# Altium PCB PCB1.PcbDoc (part 1 of 2)
Units mil, origin at the board's own origin, x right, y up, seen from the top; angles counter-clockwise.
Board outline 1968.5 x 1968.5 mil, 4 copper layers (TOP-SIG, GND1, GND2, BOT-SIG), stack 62.449 mil thick; 202 components, 93 nets, 497 pads, 230 vias.
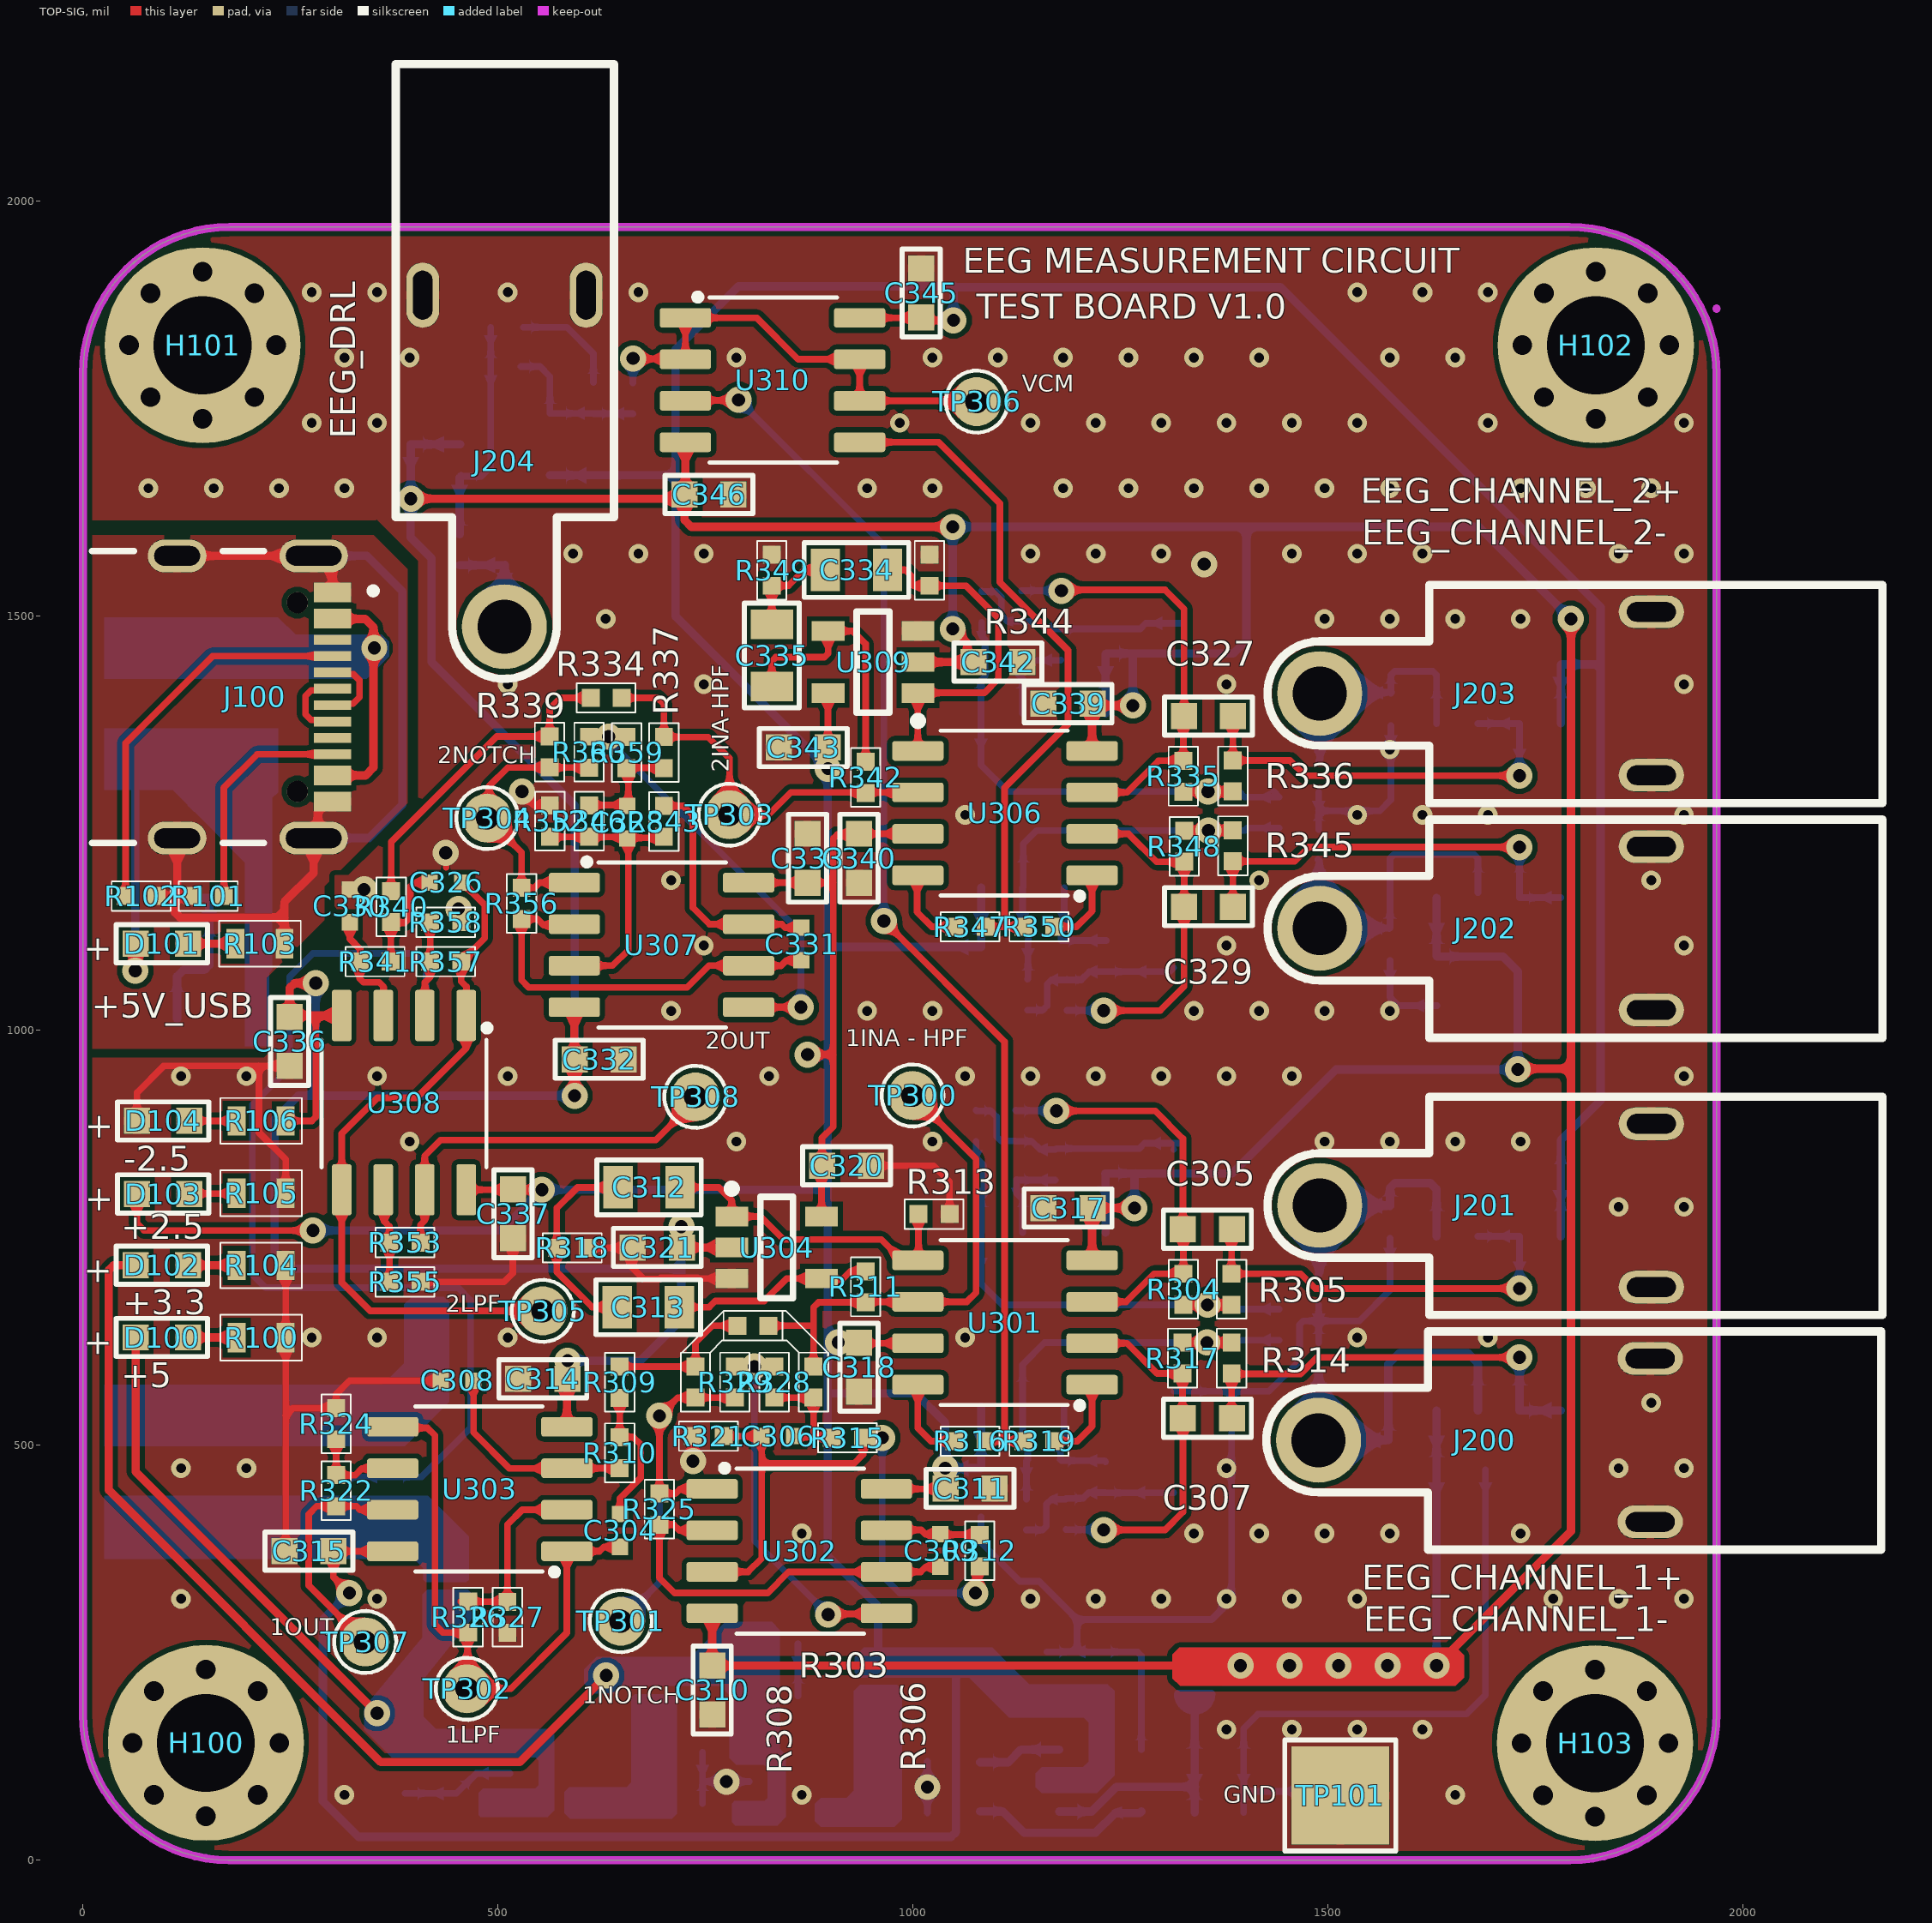
[diagram p0: TOP-SIG view]
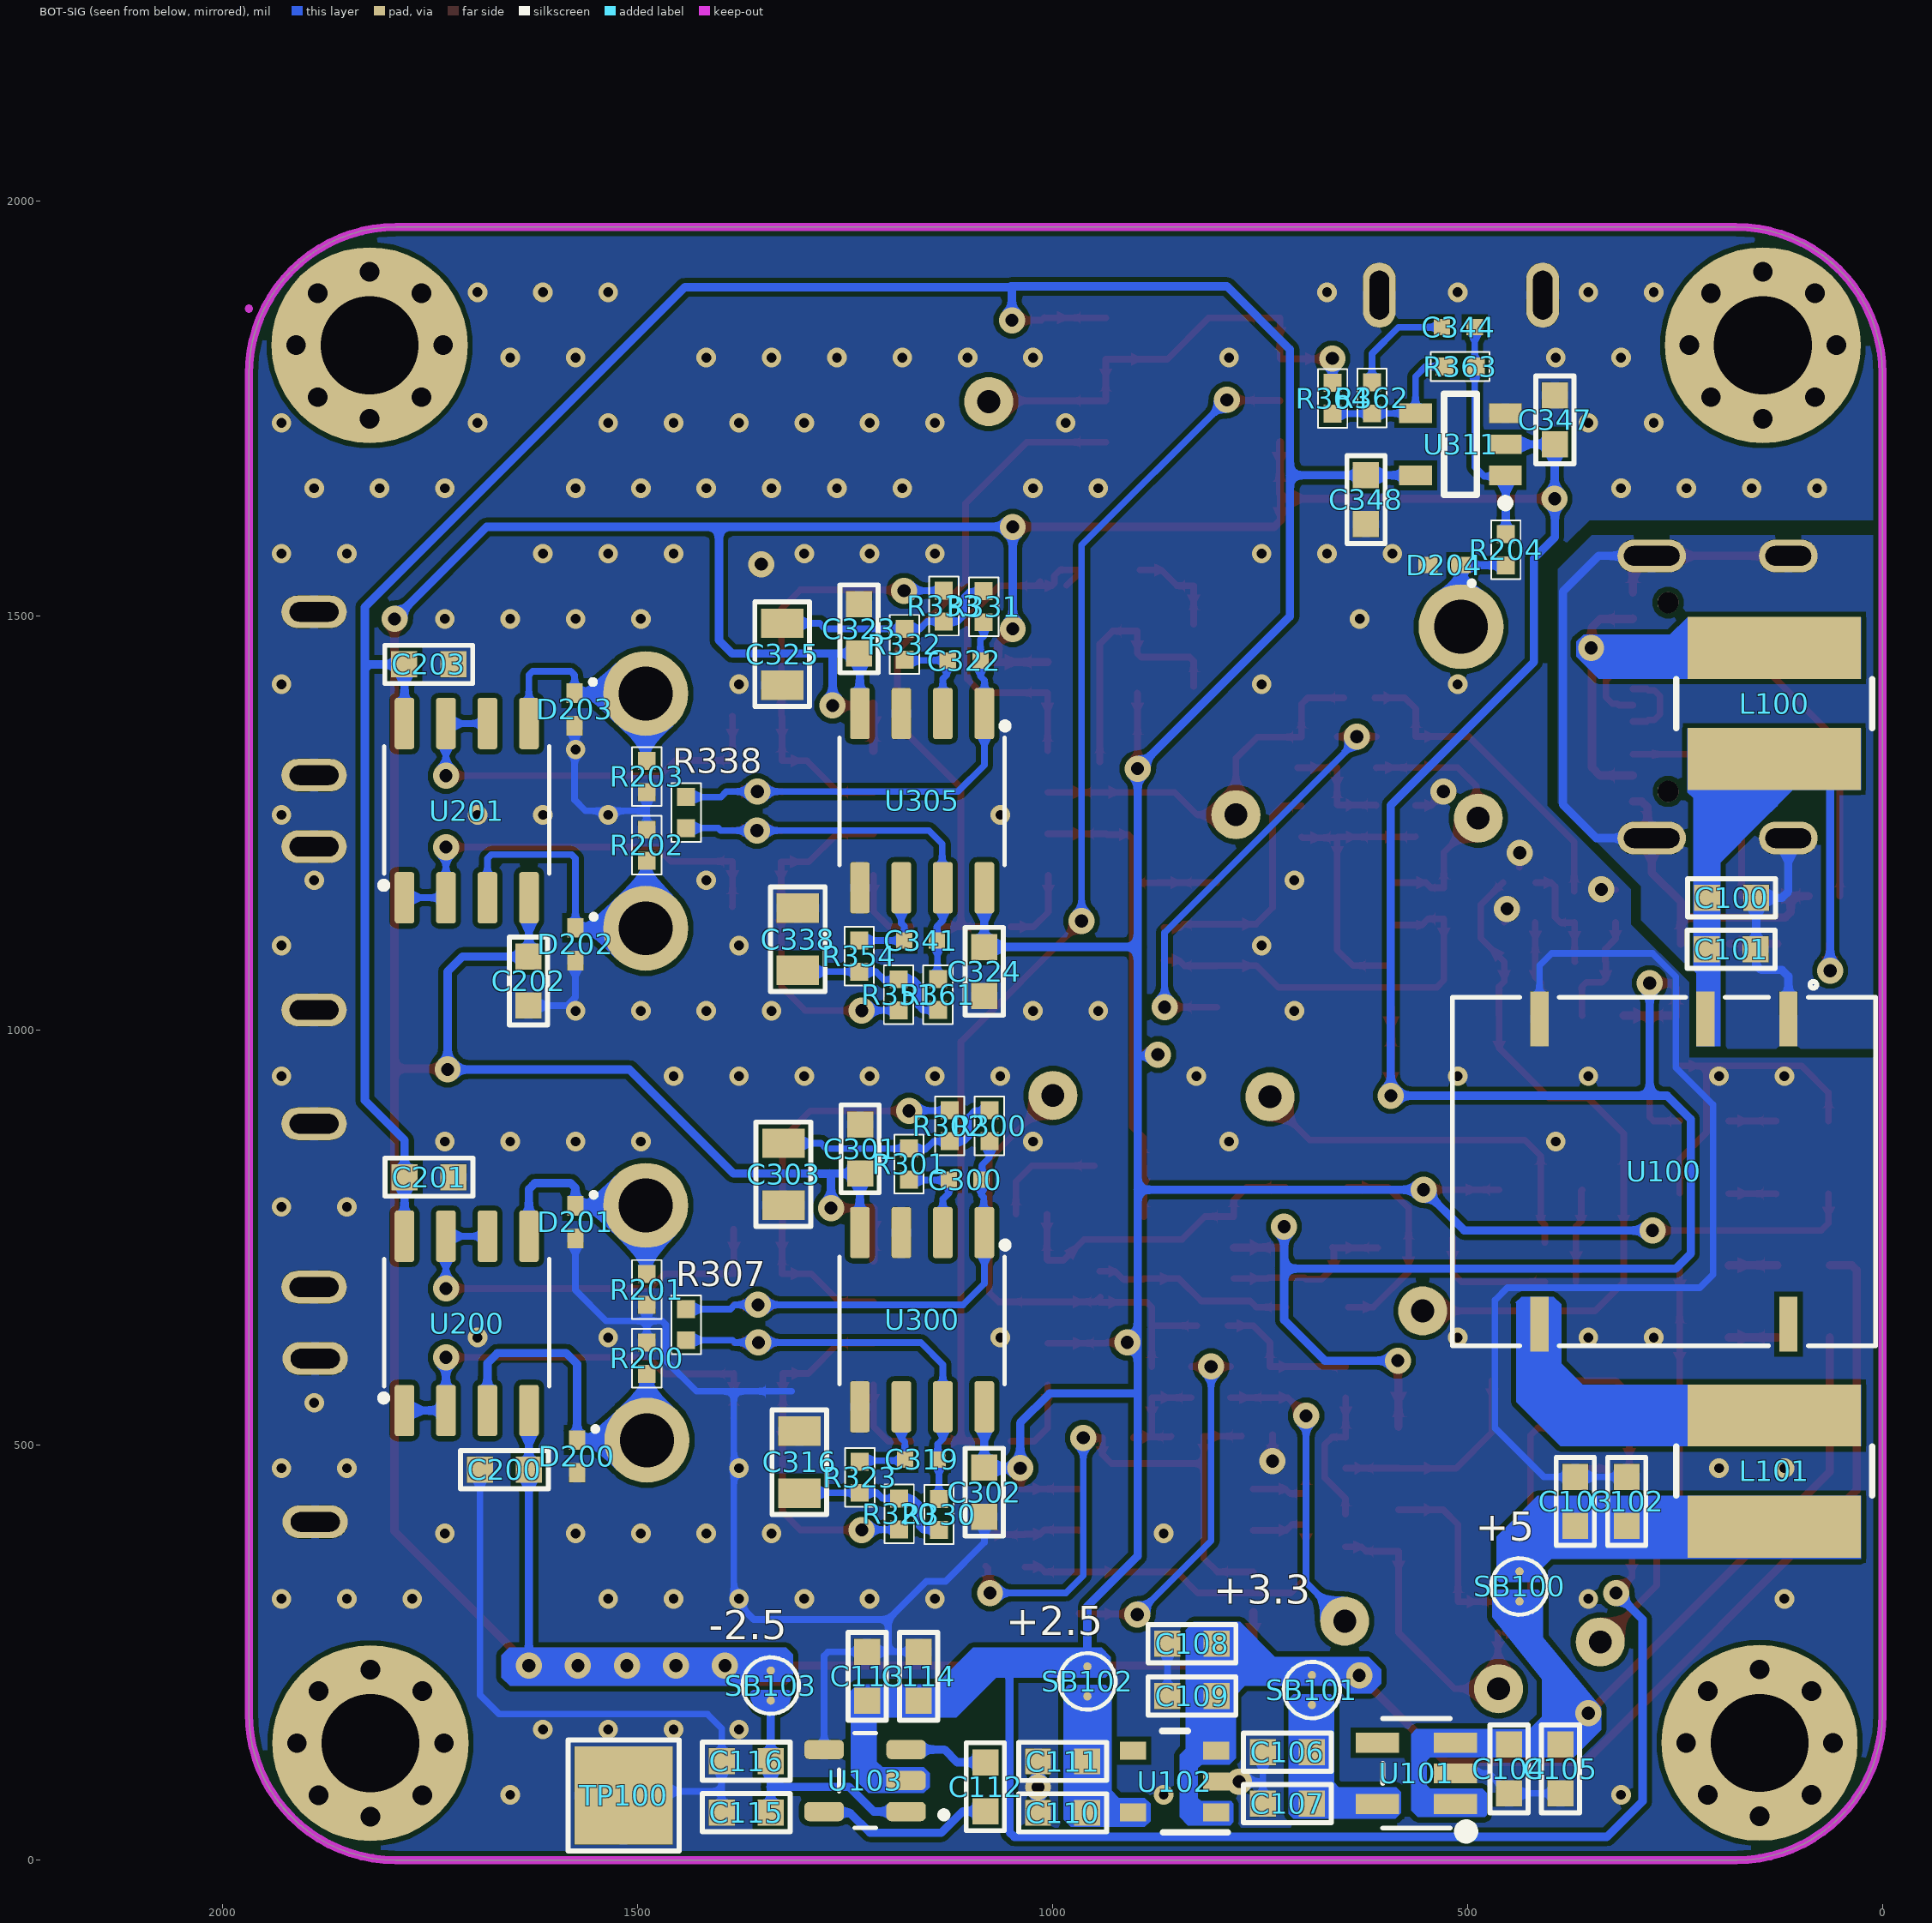
[diagram p1: BOT-SIG view, seen from below]
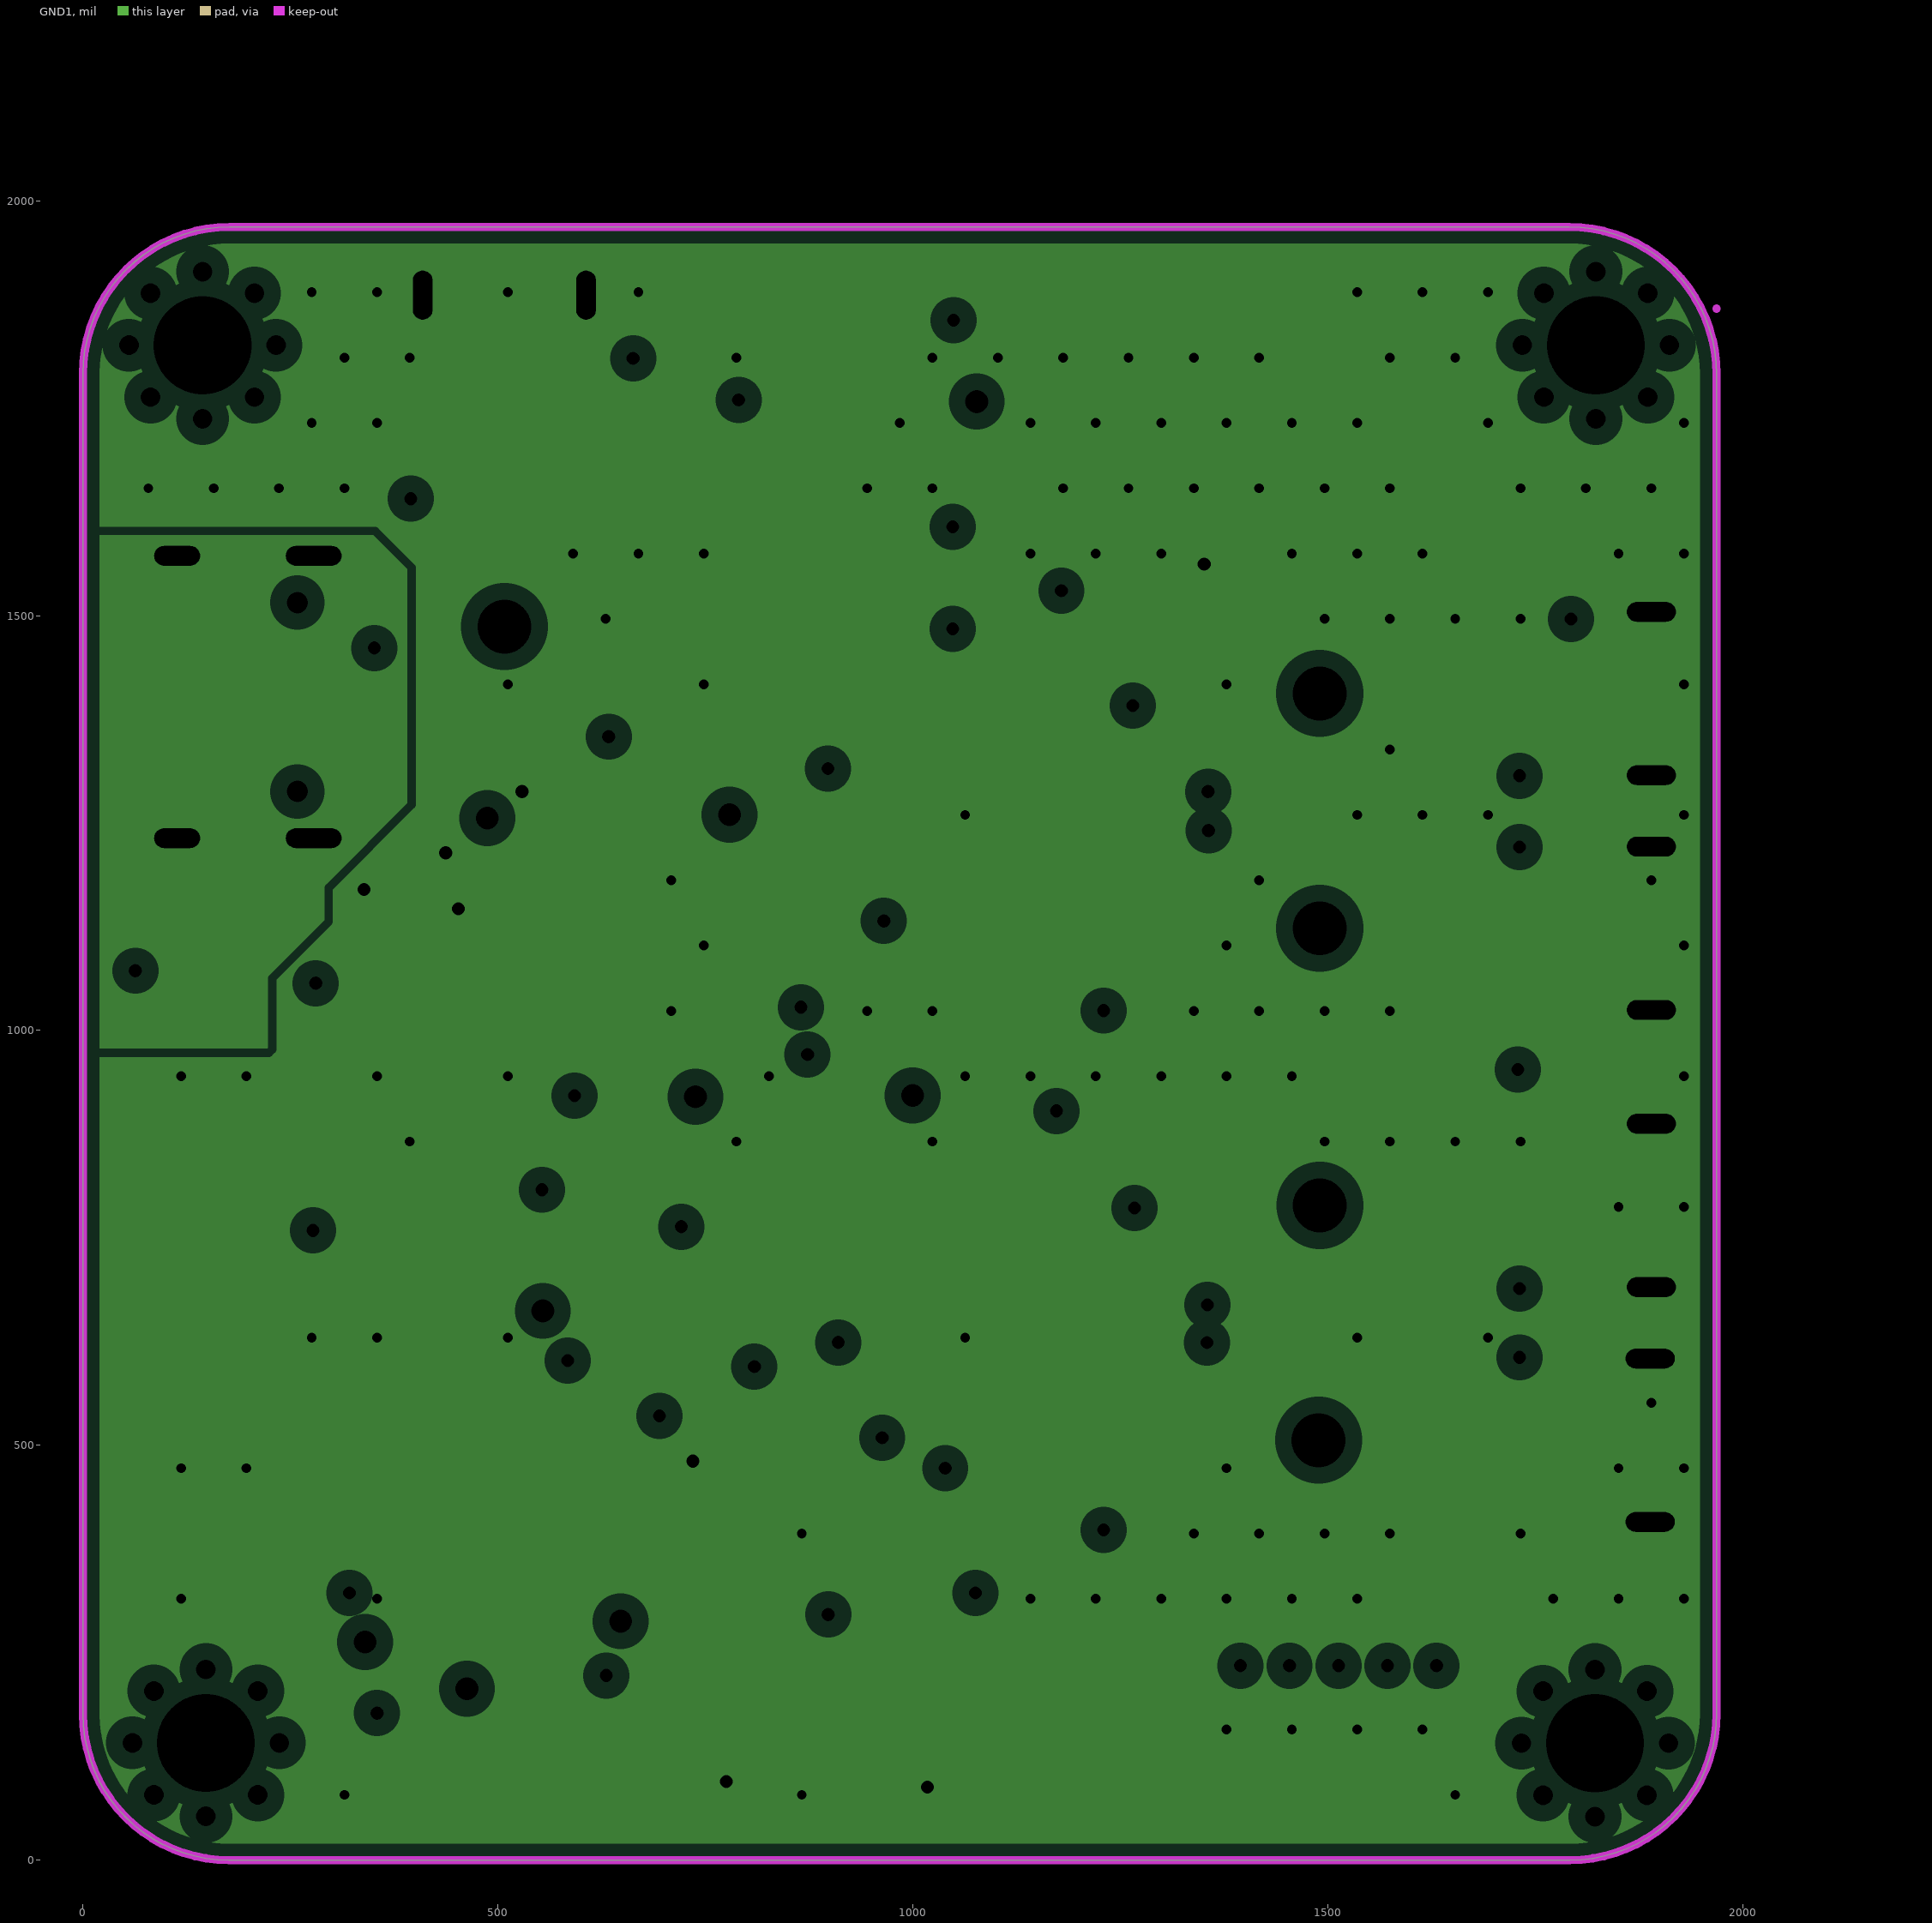
[diagram p2: GND1, clearances drawn from the general rule]
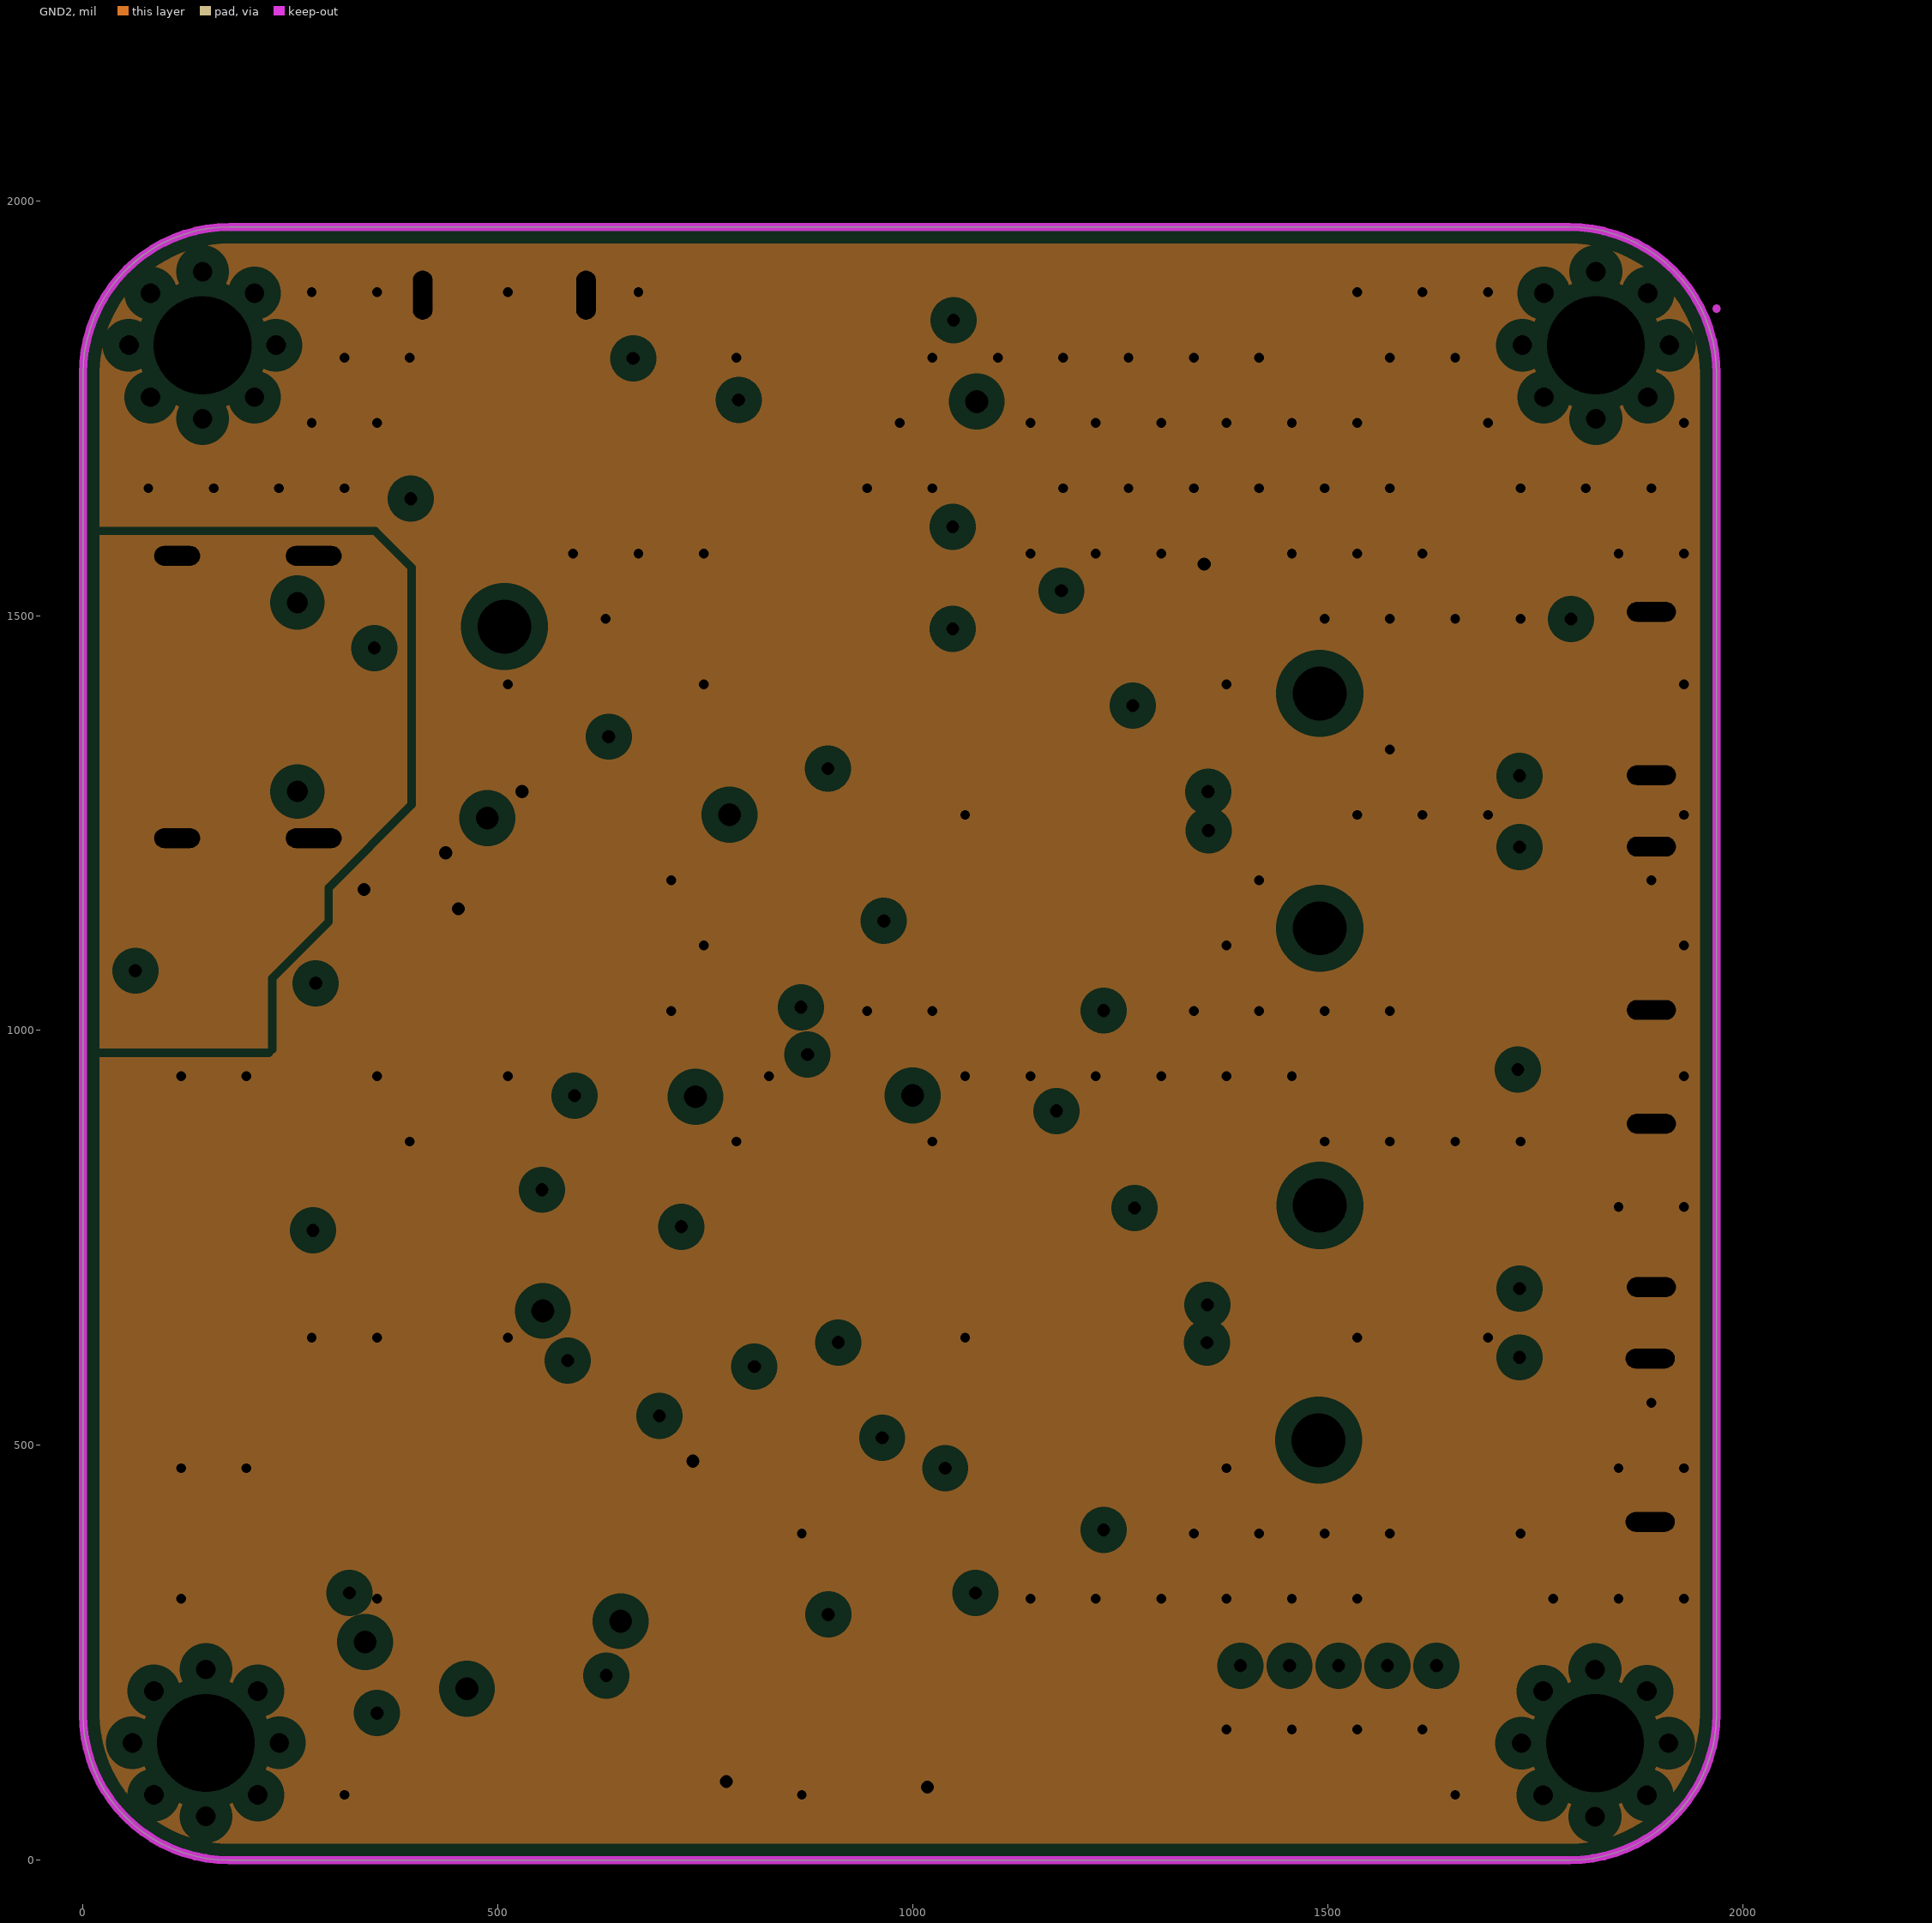
[diagram p3: GND2, clearances drawn from the general rule]
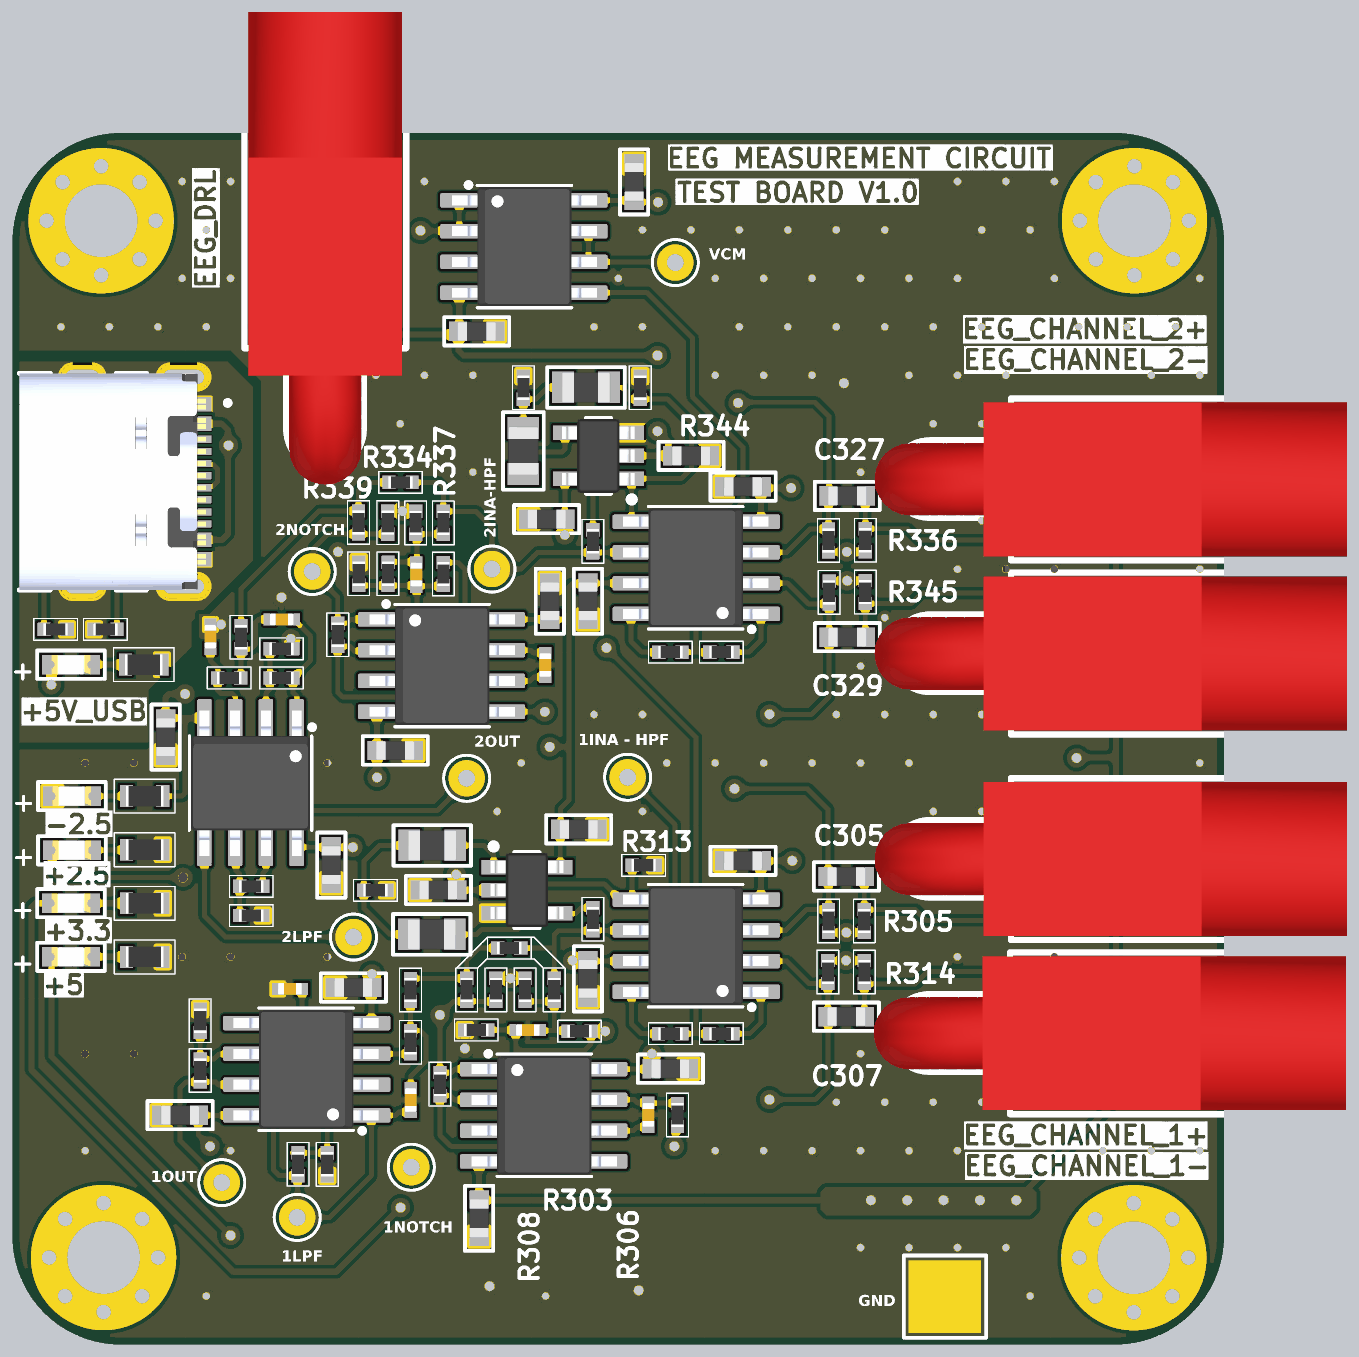
[diagram p5: 3D render of the assembled board from above, using the file's embedded part models]